# KiCad board LightRail_LPO_1.6T.kicad_pcb (continued)
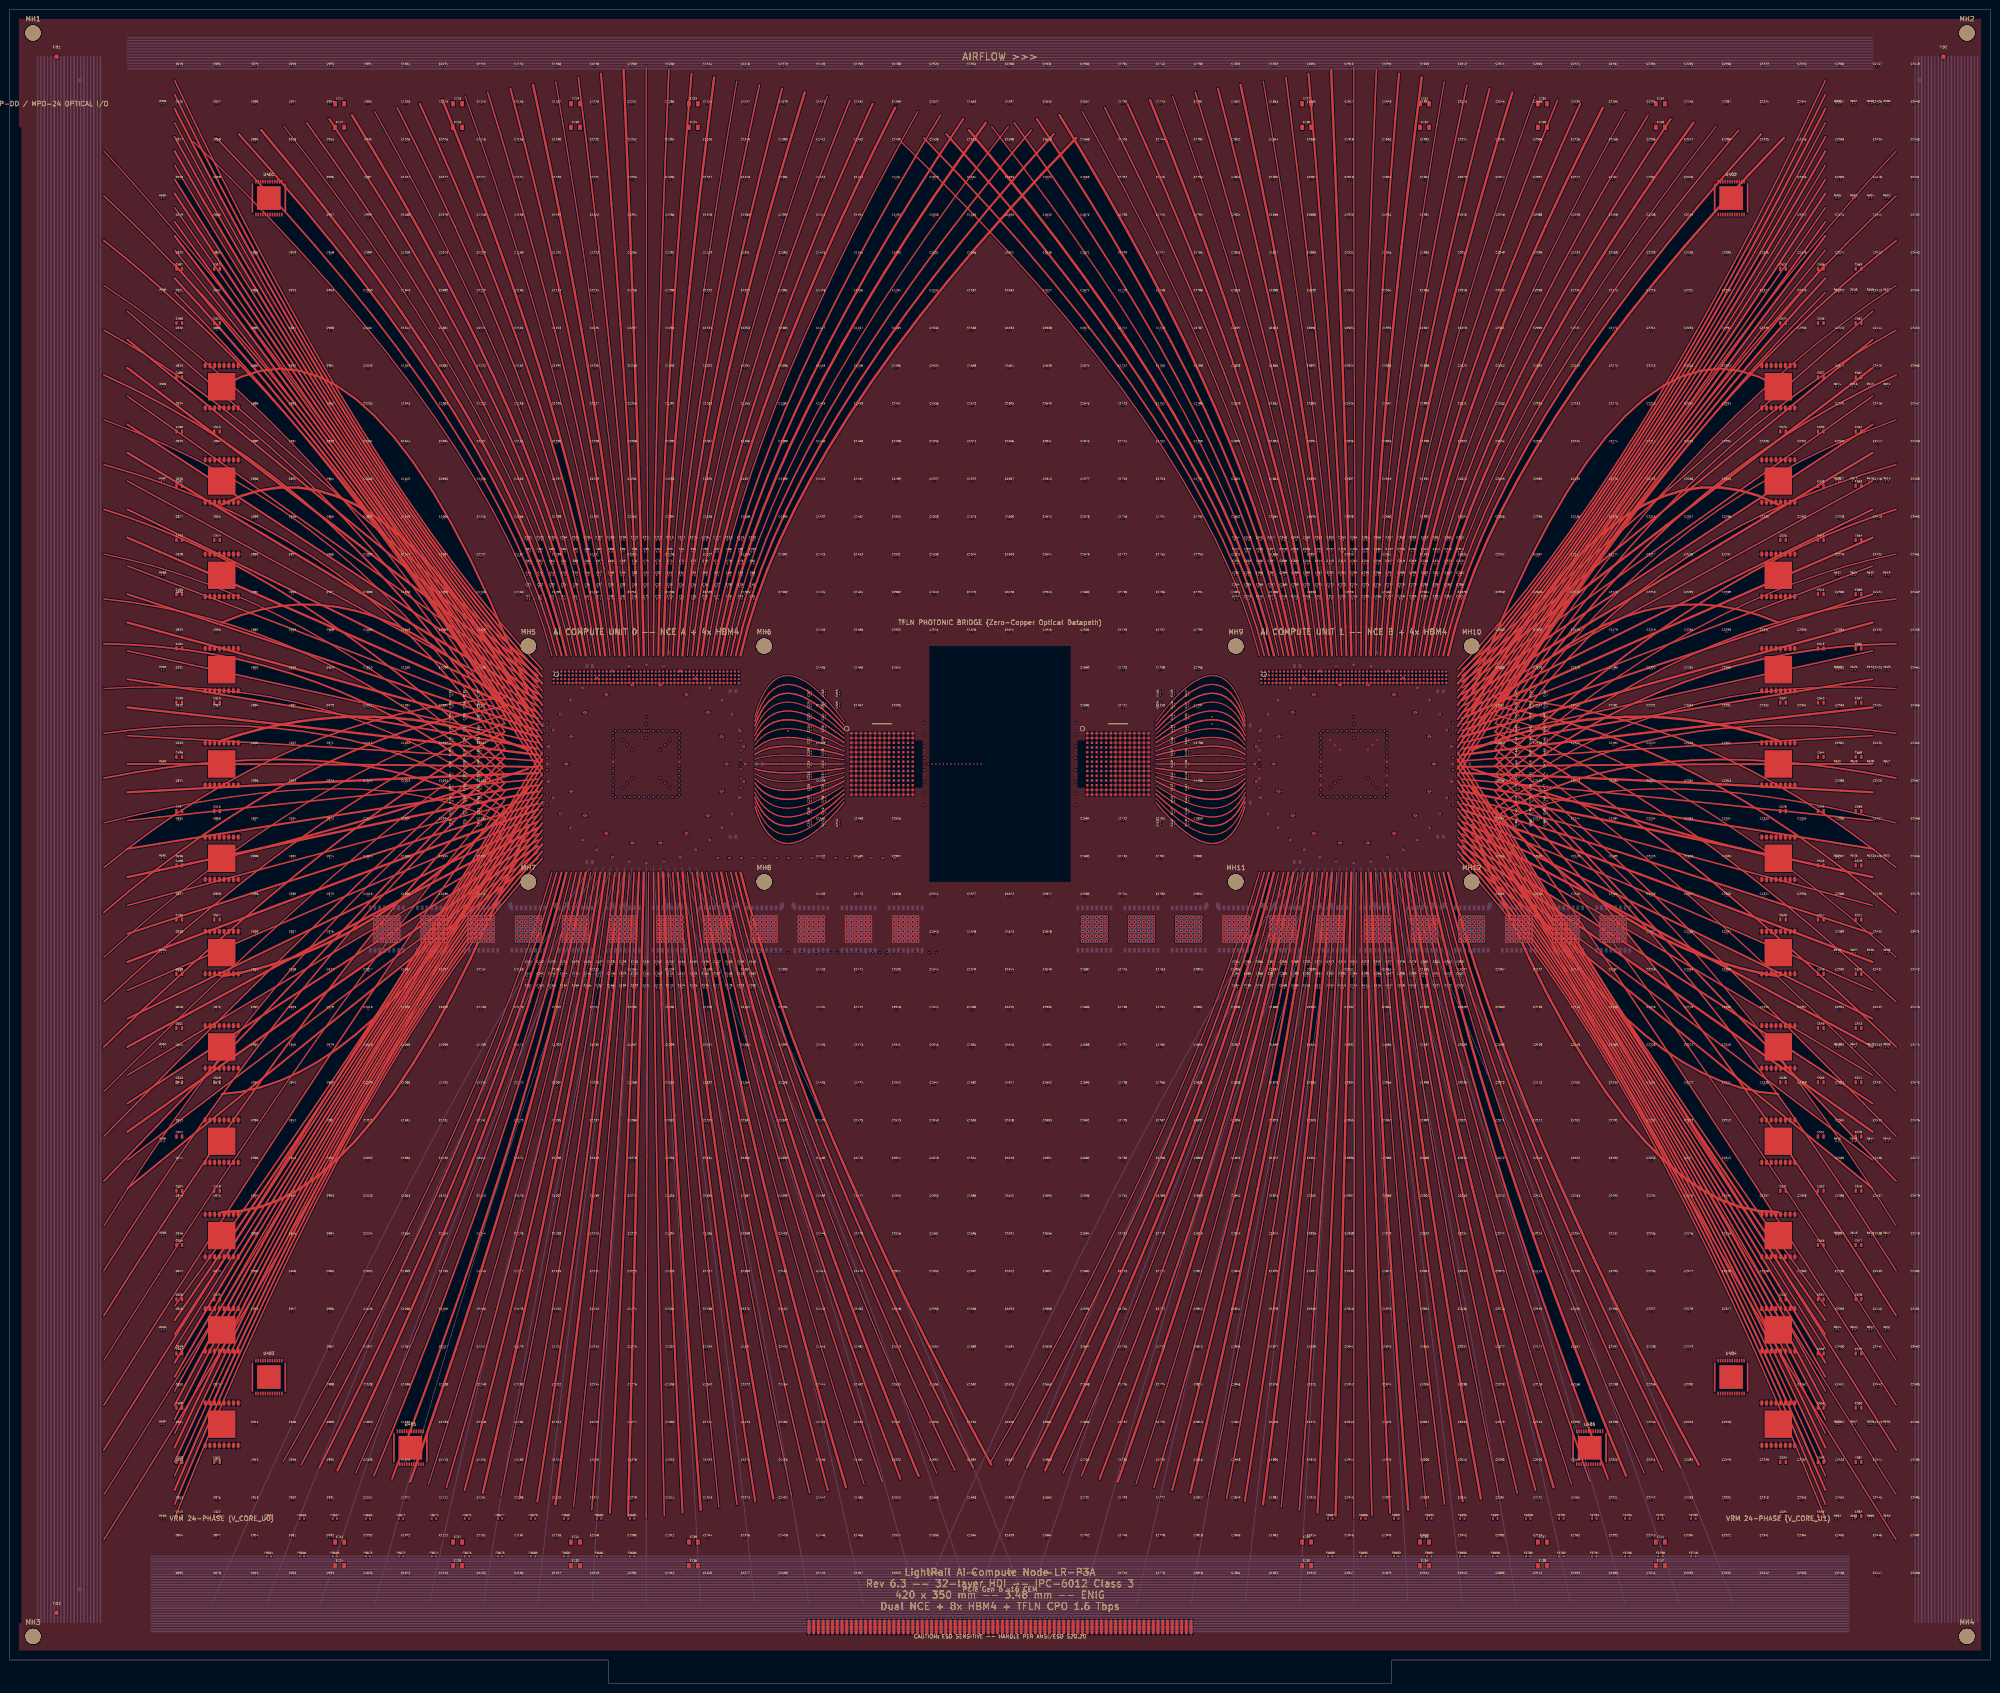
[diagram p0: board, top side]
## Placement (name value [footprint] x y rotation side) (continued)
C2326  0.6x0.3  [C_passive#2]  372 303 0 top
C2327  0.6x0.3  [C_passive#2]  372 295 0 top
C2328  0.6x0.3  [C_passive#2]  372 287 0 top
C2329  0.6x0.3  [C_passive#2]  372 263 0 top
C2330  0.6x0.3  [C_passive#2]  372 247 0 top
C2331  0.6x0.3  [C_passive#2]  372 223 0 top
C2332  0.6x0.3  [C_passive#2]  372 207 0 top
C2333  0.6x0.3  [C_passive#2]  372 183 0 top
C2334  0.6x0.3  [C_passive#2]  372 167 0 top
C2335  0.6x0.3  [C_passive#2]  372 143 0 top
C2336  0.6x0.3  [C_passive#2]  372 127 0 top
C2337  0.6x0.3  [C_passive#2]  372 103 0 top
C2338  0.6x0.3  [C_passive#2]  372 87 0 top
C2339  0.6x0.3  [C_passive#2]  372 47 0 top
C2340  0.6x0.3  [C_passive#2]  372 39 0 top
C2341  0.6x0.3  [C_passive#2]  372 31 0 top
C2342  0.6x0.3  [C_passive#2]  372 23 0 top
C2343  0.6x0.3  [C_passive#2]  380 343 0 top
C2344  0.6x0.3  [C_passive#2]  380 335 0 top
C2345  0.6x0.3  [C_passive#2]  380 327 0 top
C2346  0.6x0.3  [C_passive#2]  380 319 0 top
C2347  0.6x0.3  [C_passive#2]  380 311 0 top
C2348  0.6x0.3  [C_passive#2]  380 303 0 top
C2349  0.6x0.3  [C_passive#2]  380 295 0 top
C2350  0.6x0.3  [C_passive#2]  380 287 0 top
C2351  0.6x0.3  [C_passive#2]  380 263 0 top
C2352  0.6x0.3  [C_passive#2]  380 247 0 top
C2353  0.6x0.3  [C_passive#2]  380 223 0 top
C2354  0.6x0.3  [C_passive#2]  380 207 0 top
C2355  0.6x0.3  [C_passive#2]  380 183 0 top
C2356  0.6x0.3  [C_passive#2]  380 167 0 top
C2357  0.6x0.3  [C_passive#2]  380 143 0 top
C2358  0.6x0.3  [C_passive#2]  380 127 0 top
C2359  0.6x0.3  [C_passive#2]  380 103 0 top
C2360  0.6x0.3  [C_passive#2]  380 87 0 top
C2361  0.6x0.3  [C_passive#2]  380 63 0 top
C2362  0.6x0.3  [C_passive#2]  380 47 0 top
C2363  0.6x0.3  [C_passive#2]  380 39 0 top
C2364  0.6x0.3  [C_passive#2]  380 31 0 top
C2365  0.6x0.3  [C_passive#2]  380 23 0 top
C2366  0.6x0.3  [C_passive#2]  388 343 0 top
C2367  0.6x0.3  [C_passive#2]  388 335 0 top
C2368  0.6x0.3  [C_passive#2]  388 327 0 top
C2369  0.6x0.3  [C_passive#2]  388 319 0 top
C2370  0.6x0.3  [C_passive#2]  388 311 0 top
C2371  0.6x0.3  [C_passive#2]  388 303 0 top
C2372  0.6x0.3  [C_passive#2]  388 295 0 top
C2373  0.6x0.3  [C_passive#2]  388 287 0 top
C2374  0.6x0.3  [C_passive#2]  388 279 0 top
C2375  0.6x0.3  [C_passive#2]  388 271 0 top
C2376  0.6x0.3  [C_passive#2]  388 263 0 top
C2377  0.6x0.3  [C_passive#2]  388 255 0 top
C2378  0.6x0.3  [C_passive#2]  388 247 0 top
C2379  0.6x0.3  [C_passive#2]  388 239 0 top
C2380  0.6x0.3  [C_passive#2]  388 231 0 top
C2381  0.6x0.3  [C_passive#2]  388 223 0 top
C2382  0.6x0.3  [C_passive#2]  388 215 0 top
C2383  0.6x0.3  [C_passive#2]  388 207 0 top
C2384  0.6x0.3  [C_passive#2]  388 199 0 top
C2385  0.6x0.3  [C_passive#2]  388 191 0 top
C2386  0.6x0.3  [C_passive#2]  388 183 0 top
C2387  0.6x0.3  [C_passive#2]  388 175 0 top
C2388  0.6x0.3  [C_passive#2]  388 167 0 top
C2389  0.6x0.3  [C_passive#2]  388 159 0 top
C2390  0.6x0.3  [C_passive#2]  388 151 0 top
C2391  0.6x0.3  [C_passive#2]  388 143 0 top
C2392  0.6x0.3  [C_passive#2]  388 135 0 top
C2393  0.6x0.3  [C_passive#2]  388 127 0 top
C2394  0.6x0.3  [C_passive#2]  388 119 0 top
C2395  0.6x0.3  [C_passive#2]  388 111 0 top
C2396  0.6x0.3  [C_passive#2]  388 103 0 top
C2397  0.6x0.3  [C_passive#2]  388 95 0 top
C2398  0.6x0.3  [C_passive#2]  388 87 0 top
C2399  0.6x0.3  [C_passive#2]  388 79 0 top
C2400  0.6x0.3  [C_passive#2]  388 71 0 top
C2401  0.6x0.3  [C_passive#2]  388 63 0 top
C2402  0.6x0.3  [C_passive#2]  388 55 0 top
C2403  0.6x0.3  [C_passive#2]  388 47 0 top
C2404  0.6x0.3  [C_passive#2]  388 39 0 top
C2405  0.6x0.3  [C_passive#2]  388 31 0 top
C2406  0.6x0.3  [C_passive#2]  388 23 0 top
C2407  0.6x0.3  [C_passive#2]  396 343 0 top
C2408  0.6x0.3  [C_passive#2]  396 335 0 top
C2409  0.6x0.3  [C_passive#2]  396 327 0 top
C2410  0.6x0.3  [C_passive#2]  396 319 0 top
C2411  0.6x0.3  [C_passive#2]  396 311 0 top
C2412  0.6x0.3  [C_passive#2]  396 303 0 top
C2413  0.6x0.3  [C_passive#2]  396 295 0 top
C2414  0.6x0.3  [C_passive#2]  396 287 0 top
C2415  0.6x0.3  [C_passive#2]  396 279 0 top
C2416  0.6x0.3  [C_passive#2]  396 271 0 top
C2417  0.6x0.3  [C_passive#2]  396 263 0 top
C2418  0.6x0.3  [C_passive#2]  396 255 0 top
C2419  0.6x0.3  [C_passive#2]  396 247 0 top
C2420  0.6x0.3  [C_passive#2]  396 239 0 top
C2421  0.6x0.3  [C_passive#2]  396 231 0 top
C2422  0.6x0.3  [C_passive#2]  396 223 0 top
C2423  0.6x0.3  [C_passive#2]  396 215 0 top
C2424  0.6x0.3  [C_passive#2]  396 207 0 top
C2425  0.6x0.3  [C_passive#2]  396 199 0 top
C2426  0.6x0.3  [C_passive#2]  396 191 0 top
C2427  0.6x0.3  [C_passive#2]  396 183 0 top
C2428  0.6x0.3  [C_passive#2]  396 175 0 top
C2429  0.6x0.3  [C_passive#2]  396 167 0 top
C2430  0.6x0.3  [C_passive#2]  396 159 0 top
C2431  0.6x0.3  [C_passive#2]  396 151 0 top
C2432  0.6x0.3  [C_passive#2]  396 143 0 top
C2433  0.6x0.3  [C_passive#2]  396 135 0 top
C2434  0.6x0.3  [C_passive#2]  396 127 0 top
C2435  0.6x0.3  [C_passive#2]  396 119 0 top
C2436  0.6x0.3  [C_passive#2]  396 111 0 top
C2437  0.6x0.3  [C_passive#2]  396 103 0 top
C2438  0.6x0.3  [C_passive#2]  396 95 0 top
C2439  0.6x0.3  [C_passive#2]  396 87 0 top
C2440  0.6x0.3  [C_passive#2]  396 79 0 top
C2441  0.6x0.3  [C_passive#2]  396 71 0 top
C2442  0.6x0.3  [C_passive#2]  396 63 0 top
C2443  0.6x0.3  [C_passive#2]  396 55 0 top
C2444  0.6x0.3  [C_passive#2]  396 47 0 top
C2445  0.6x0.3  [C_passive#2]  396 39 0 top
C2446  0.6x0.3  [C_passive#2]  396 31 0 top
C2447  0.6x0.3  [C_passive#2]  396 23 0 top
C2448  0.6x0.3  [C_passive#2]  404 343 0 top
C2449  0.6x0.3  [C_passive#2]  404 335 0 top
C2450  0.6x0.3  [C_passive#2]  404 327 0 top
C2451  0.6x0.3  [C_passive#2]  404 319 0 top
C2452  0.6x0.3  [C_passive#2]  404 311 0 top
C2453  0.6x0.3  [C_passive#2]  404 303 0 top
C2454  0.6x0.3  [C_passive#2]  404 295 0 top
C2455  0.6x0.3  [C_passive#2]  404 287 0 top
C2456  0.6x0.3  [C_passive#2]  404 279 0 top
C2457  0.6x0.3  [C_passive#2]  404 271 0 top
C2458  0.6x0.3  [C_passive#2]  404 263 0 top
C2459  0.6x0.3  [C_passive#2]  404 255 0 top
C2460  0.6x0.3  [C_passive#2]  404 247 0 top
C2461  0.6x0.3  [C_passive#2]  404 239 0 top
C2462  0.6x0.3  [C_passive#2]  404 231 0 top
C2463  0.6x0.3  [C_passive#2]  404 223 0 top
C2464  0.6x0.3  [C_passive#2]  404 215 0 top
C2465  0.6x0.3  [C_passive#2]  404 207 0 top
C2466  0.6x0.3  [C_passive#2]  404 199 0 top
C2467  0.6x0.3  [C_passive#2]  404 191 0 top
C2468  0.6x0.3  [C_passive#2]  404 183 0 top
C2469  0.6x0.3  [C_passive#2]  404 175 0 top
C2470  0.6x0.3  [C_passive#2]  404 167 0 top
C2471  0.6x0.3  [C_passive#2]  404 159 0 top
C2472  0.6x0.3  [C_passive#2]  404 151 0 top
C2473  0.6x0.3  [C_passive#2]  404 143 0 top
C2474  0.6x0.3  [C_passive#2]  404 135 0 top
C2475  0.6x0.3  [C_passive#2]  404 127 0 top
C2476  0.6x0.3  [C_passive#2]  404 119 0 top
C2477  0.6x0.3  [C_passive#2]  404 111 0 top
C2478  0.6x0.3  [C_passive#2]  404 103 0 top
C2479  0.6x0.3  [C_passive#2]  404 95 0 top
C2480  0.6x0.3  [C_passive#2]  404 87 0 top
C2481  0.6x0.3  [C_passive#2]  404 79 0 top
C2482  0.6x0.3  [C_passive#2]  404 71 0 top
C2483  0.6x0.3  [C_passive#2]  404 63 0 top
C2484  0.6x0.3  [C_passive#2]  404 55 0 top
C2485  0.6x0.3  [C_passive#2]  404 47 0 top
C2486  0.6x0.3  [C_passive#2]  404 39 0 top
C2487  0.6x0.3  [C_passive#2]  404 31 0 top
C2488  0.6x0.3  [C_passive#2]  404 23 0 top
C_U0_T1_0  100uF_10V  [C_Tantalum_3528]  105 165 0 bottom
C_U0_T1_1  100uF_10V  [C_Tantalum_3528]  117 165 0 bottom
C_U0_T1_2  100uF_10V  [C_Tantalum_3528]  129 165 0 bottom
C_U0_T1_3  100uF_10V  [C_Tantalum_3528]  141 165 0 bottom
C_U0_T1_4  100uF_10V  [C_Tantalum_3528]  153 165 0 bottom
C_U0_T1_5  100uF_10V  [C_Tantalum_3528]  165 165 0 bottom
C_U0_T2_0  10uF  [C_0805]  159 195 0 bottom
C_U0_T2_1  10uF  [C_0805]  153.39 179.57 0 bottom
C_U0_T2_2  10uF  [C_0805]  139.17 171.36 0 bottom
C_U0_T2_3  10uF  [C_0805]  123 174.22 0 bottom
C_U0_T2_4  10uF  [C_0805]  112.45 186.79 0 bottom
C_U0_T2_5  10uF  [C_0805]  112.45 203.21 0 bottom
C_U0_T2_6  10uF  [C_0805]  123 215.78 0 bottom
C_U0_T2_7  10uF  [C_0805]  139.17 218.64 0 bottom
C_U0_T2_8  10uF  [C_0805]  153.39 210.43 0 bottom
C_U0_T3_0  1uF  [C_0402]  152 195 0 top
C_U0_T3_1  1uF  [C_0402]  150.97 189.19 0 top
C_U0_T3_2  1uF  [C_0402]  148.02 184.07 0 top
C_U0_T3_3  1uF  [C_0402]  143.5 180.28 0 top
C_U0_T3_4  1uF  [C_0402]  137.95 178.26 0 top
C_U0_T3_5  1uF  [C_0402]  132.05 178.26 0 top
C_U0_T3_6  1uF  [C_0402]  126.5 180.28 0 top
C_U0_T3_7  1uF  [C_0402]  121.98 184.07 0 top
C_U0_T3_8  1uF  [C_0402]  119.03 189.19 0 top
C_U0_T3_9  1uF  [C_0402]  118 195 0 top
C_U0_T3_10  1uF  [C_0402]  119.03 200.81 0 top
C_U0_T3_11  1uF  [C_0402]  121.98 205.93 0 top
C_U0_T3_12  1uF  [C_0402]  126.5 209.72 0 top
C_U0_T3_13  1uF  [C_0402]  132.05 211.74 0 top
C_U0_T3_14  1uF  [C_0402]  137.95 211.74 0 top
C_U0_T3_15  1uF  [C_0402]  143.5 209.72 0 top
C_U0_T3_16  1uF  [C_0402]  148.02 205.93 0 top
C_U0_T3_17  1uF  [C_0402]  150.97 200.81 0 top
C_U0_T4_0  100nF  [C_01005#2]  156 195 0 top
C_U0_T4_1  100nF  [C_01005#3]  155.68 191.35 10 top
C_U0_T4_2  100nF  [C_01005#4]  154.73 187.82 20 top
C_U0_T4_3  100nF  [C_01005#5]  153.19 184.5 30 top
C_U0_T4_4  100nF  [C_01005]  151.09 181.5 40 top
C_U0_T4_5  100nF  [C_01005#6]  148.5 178.91 50 top
C_U0_T4_6  100nF  [C_01005#7]  145.5 176.81 60 top
C_U0_T4_7  100nF  [C_01005#8]  142.18 175.27 70 top
C_U0_T4_8  100nF  [C_01005#9]  138.65 174.32 80 top
C_U0_T4_9  100nF  [C_01005#2]  135 174 90 top
C_U0_T4_10  100nF  [C_01005#10]  131.35 174.32 100 top
C_U0_T4_11  100nF  [C_01005#11]  127.82 175.27 110 top
C_U0_T4_12  100nF  [C_01005#12]  124.5 176.81 120 top
C_U0_T4_13  100nF  [C_01005#13]  121.5 178.91 130 top
C_U0_T4_14  100nF  [C_01005#14]  118.91 181.5 140 top
C_U0_T4_15  100nF  [C_01005#15]  116.81 184.5 150 top
C_U0_T4_16  100nF  [C_01005#16]  115.27 187.82 160 top
C_U0_T4_17  100nF  [C_01005#17]  114.32 191.35 170 top
C_U0_T4_18  100nF  [C_01005#2]  114 195 180 top
C_U0_T4_19  100nF  [C_01005#3]  114.32 198.65 190 top
C_U0_T4_20  100nF  [C_01005#4]  115.27 202.18 200 top
C_U0_T4_21  100nF  [C_01005#5]  116.81 205.5 210 top
C_U0_T4_22  100nF  [C_01005]  118.91 208.5 220 top
C_U0_T4_23  100nF  [C_01005#6]  121.5 211.09 230 top
C_U0_T4_24  100nF  [C_01005#7]  124.5 213.19 240 top
C_U0_T4_25  100nF  [C_01005#8]  127.82 214.73 250 top
C_U0_T4_26  100nF  [C_01005#9]  131.35 215.68 260 top
C_U0_T4_27  100nF  [C_01005#2]  135 216 270 top
C_U0_T4_28  100nF  [C_01005#10]  138.65 215.68 280 top
C_U0_T4_29  100nF  [C_01005#11]  142.18 214.73 290 top
C_U0_T4_30  100nF  [C_01005#12]  145.5 213.19 300 top
C_U0_T4_31  100nF  [C_01005#13]  148.5 211.09 310 top
C_U0_T4_32  100nF  [C_01005#14]  151.09 208.5 320 top
C_U0_T4_33  100nF  [C_01005#15]  153.19 205.5 330 top
C_U0_T4_34  100nF  [C_01005#16]  154.73 202.18 340 top
C_U0_T4_35  100nF  [C_01005#17]  155.68 198.65 350 top
C_U1_T1_0  100uF_10V  [C_Tantalum_3528]  255 165 0 bottom
C_U1_T1_1  100uF_10V  [C_Tantalum_3528]  267 165 0 bottom
C_U1_T1_2  100uF_10V  [C_Tantalum_3528]  279 165 0 bottom
C_U1_T1_3  100uF_10V  [C_Tantalum_3528]  291 165 0 bottom
C_U1_T1_4  100uF_10V  [C_Tantalum_3528]  303 165 0 bottom
C_U1_T1_5  100uF_10V  [C_Tantalum_3528]  315 165 0 bottom
C_U1_T2_0  10uF  [C_0805]  309 195 0 bottom
C_U1_T2_1  10uF  [C_0805]  303.39 179.57 0 bottom
C_U1_T2_2  10uF  [C_0805]  289.17 171.36 0 bottom
C_U1_T2_3  10uF  [C_0805]  273 174.22 0 bottom
C_U1_T2_4  10uF  [C_0805]  262.45 186.79 0 bottom
C_U1_T2_5  10uF  [C_0805]  262.45 203.21 0 bottom
C_U1_T2_6  10uF  [C_0805]  273 215.78 0 bottom
C_U1_T2_7  10uF  [C_0805]  289.17 218.64 0 bottom
C_U1_T2_8  10uF  [C_0805]  303.39 210.43 0 bottom
C_U1_T3_0  1uF  [C_0402]  302 195 0 top
C_U1_T3_1  1uF  [C_0402]  300.97 189.19 0 top
C_U1_T3_2  1uF  [C_0402]  298.02 184.07 0 top
C_U1_T3_3  1uF  [C_0402]  293.5 180.28 0 top
C_U1_T3_4  1uF  [C_0402]  287.95 178.26 0 top
C_U1_T3_5  1uF  [C_0402]  282.05 178.26 0 top
C_U1_T3_6  1uF  [C_0402]  276.5 180.28 0 top
C_U1_T3_7  1uF  [C_0402]  271.98 184.07 0 top
C_U1_T3_8  1uF  [C_0402]  269.03 189.19 0 top
C_U1_T3_9  1uF  [C_0402]  268 195 0 top
C_U1_T3_10  1uF  [C_0402]  269.03 200.81 0 top
C_U1_T3_11  1uF  [C_0402]  271.98 205.93 0 top
C_U1_T3_12  1uF  [C_0402]  276.5 209.72 0 top
C_U1_T3_13  1uF  [C_0402]  282.05 211.74 0 top
C_U1_T3_14  1uF  [C_0402]  287.95 211.74 0 top
C_U1_T3_15  1uF  [C_0402]  293.5 209.72 0 top
C_U1_T3_16  1uF  [C_0402]  298.02 205.93 0 top
C_U1_T3_17  1uF  [C_0402]  300.97 200.81 0 top
C_U1_T4_0  100nF  [C_01005#2]  306 195 0 top
C_U1_T4_1  100nF  [C_01005#3]  305.68 191.35 10 top
C_U1_T4_2  100nF  [C_01005#4]  304.73 187.82 20 top
C_U1_T4_3  100nF  [C_01005#5]  303.19 184.5 30 top
C_U1_T4_4  100nF  [C_01005]  301.09 181.5 40 top
C_U1_T4_5  100nF  [C_01005#6]  298.5 178.91 50 top
C_U1_T4_6  100nF  [C_01005#7]  295.5 176.81 60 top
C_U1_T4_7  100nF  [C_01005#8]  292.18 175.27 70 top
C_U1_T4_8  100nF  [C_01005#9]  288.65 174.32 80 top
C_U1_T4_9  100nF  [C_01005#2]  285 174 90 top
C_U1_T4_10  100nF  [C_01005#10]  281.35 174.32 100 top
C_U1_T4_11  100nF  [C_01005#11]  277.82 175.27 110 top
C_U1_T4_12  100nF  [C_01005#12]  274.5 176.81 120 top
C_U1_T4_13  100nF  [C_01005#13]  271.5 178.91 130 top
C_U1_T4_14  100nF  [C_01005#14]  268.91 181.5 140 top
C_U1_T4_15  100nF  [C_01005#15]  266.81 184.5 150 top
C_U1_T4_16  100nF  [C_01005#16]  265.27 187.82 160 top
C_U1_T4_17  100nF  [C_01005#17]  264.32 191.35 170 top
C_U1_T4_18  100nF  [C_01005#2]  264 195 180 top
C_U1_T4_19  100nF  [C_01005#3]  264.32 198.65 190 top
C_U1_T4_20  100nF  [C_01005#4]  265.27 202.18 200 top
C_U1_T4_21  100nF  [C_01005#5]  266.81 205.5 210 top
C_U1_T4_22  100nF  [C_01005]  268.91 208.5 220 top
C_U1_T4_23  100nF  [C_01005#6]  271.5 211.09 230 top
C_U1_T4_24  100nF  [C_01005#7]  274.5 213.19 240 top
C_U1_T4_25  100nF  [C_01005#8]  277.82 214.73 250 top
C_U1_T4_26  100nF  [C_01005#9]  281.35 215.68 260 top
C_U1_T4_27  100nF  [C_01005#2]  285 216 270 top
C_U1_T4_28  100nF  [C_01005#10]  288.65 215.68 280 top
C_U1_T4_29  100nF  [C_01005#11]  292.18 214.73 290 top
C_U1_T4_30  100nF  [C_01005#12]  295.5 213.19 300 top
C_U1_T4_31  100nF  [C_01005#13]  298.5 211.09 310 top
C_U1_T4_32  100nF  [C_01005#14]  301.09 208.5 320 top
C_U1_T4_33  100nF  [C_01005#15]  303.19 205.5 330 top
C_U1_T4_34  100nF  [C_01005#16]  304.73 202.18 340 top
C_U1_T4_35  100nF  [C_01005#17]  305.68 198.65 350 top
FB663  1.6x0.8  [FB_passive]  55 35 0 top
FB664  1.6x0.8  [FB_passive]  55 27 0 top
FB665  1.6x0.8  [FB_passive]  62 35 0 top
FB666  1.6x0.8  [FB_passive]  62 27 0 top
FB667  1.6x0.8  [FB_passive]  69 35 0 top
FB668  1.6x0.8  [FB_passive]  69 27 0 top
FB669  1.6x0.8  [FB_passive]  76 35 0 top
FB670  1.6x0.8  [FB_passive]  76 27 0 top
FB671  1.6x0.8  [FB_passive]  83 35 0 top
FB672  1.6x0.8  [FB_passive]  83 27 0 top
FB673  1.6x0.8  [FB_passive]  90 35 0 top
FB674  1.6x0.8  [FB_passive]  90 27 0 top
FB675  1.6x0.8  [FB_passive]  97 35 0 top
FB676  1.6x0.8  [FB_passive]  97 27 0 top
FB677  1.6x0.8  [FB_passive]  104 35 0 top
FB678  1.6x0.8  [FB_passive]  104 27 0 top
FB679  1.6x0.8  [FB_passive]  111 35 0 top
FB680  1.6x0.8  [FB_passive]  111 27 0 top
FB681  1.6x0.8  [FB_passive]  118 35 0 top
FB682  1.6x0.8  [FB_passive]  118 27 0 top
FB683  1.6x0.8  [FB_passive]  125 35 0 top
FB684  1.6x0.8  [FB_passive]  125 27 0 top
FB685  1.6x0.8  [FB_passive]  132 35 0 top
FB686  1.6x0.8  [FB_passive]  132 27 0 top
FB687  1.6x0.8  [FB_passive]  280 35 0 top
FB688  1.6x0.8  [FB_passive]  280 27 0 top
FB689  1.6x0.8  [FB_passive]  287 35 0 top
FB690  1.6x0.8  [FB_passive]  287 27 0 top
FB691  1.6x0.8  [FB_passive]  294 35 0 top
FB692  1.6x0.8  [FB_passive]  294 27 0 top
FB693  1.6x0.8  [FB_passive]  301 35 0 top
FB694  1.6x0.8  [FB_passive]  301 27 0 top
FB695  1.6x0.8  [FB_passive]  308 35 0 top
FB696  1.6x0.8  [FB_passive]  308 27 0 top
FB697  1.6x0.8  [FB_passive]  315 35 0 top
FB698  1.6x0.8  [FB_passive]  315 27 0 top
FB699  1.6x0.8  [FB_passive]  322 35 0 top
FB700  1.6x0.8  [FB_passive]  322 27 0 top
FB701  1.6x0.8  [FB_passive]  329 35 0 top
FB702  1.6x0.8  [FB_passive]  329 27 0 top
FB703  1.6x0.8  [FB_passive]  336 35 0 top
FB704  1.6x0.8  [FB_passive]  336 27 0 top
FB705  1.6x0.8  [FB_passive]  343 35 0 top
FB706  1.6x0.8  [FB_passive]  343 27 0 top
FB707  1.6x0.8  [FB_passive]  350 35 0 top
FB708  1.6x0.8  [FB_passive]  350 27 0 top
FB709  1.6x0.8  [FB_passive]  357 35 0 top
FB710  1.6x0.8  [FB_passive]  357 27 0 top
FID1  Fiducial  [Fiducial_1mm_Mask2.5mm]  10 345 0 top
FID2  Fiducial  [Fiducial_1mm_Mask2.5mm]  410 345 0 top
FID3  Fiducial  [Fiducial_1mm_Mask2.5mm]  10 15 0 top
FID4  Fiducial  [Fiducial_1mm_Mask2.5mm]  15 340 0 bottom
FID5  Fiducial  [Fiducial_1mm_Mask2.5mm]  405 340 0 bottom
FID6  Fiducial  [Fiducial_1mm_Mask2.5mm]  15 20 0 bottom
J1  PCIe_Gen6_x16_CEM  [PCIe_CEM_x16_164pin]  210 12 0 top
J2  12VHPWR_600W  [12VHPWR_Molex_203713]  390 325 0 top
J3  12VHPWR_600W  [12VHPWR_Molex_203713]  390 295 0 top
J10  QSFP-DD  [QSFP_DD_Cage]  8 325 0 top
J11  QSFP-DD  [QSFP_DD_Cage]  8 320.2 0 top
J12  QSFP-DD  [QSFP_DD_Cage]  8 315.4 0 top
J13  QSFP-DD  [QSFP_DD_Cage]  8 310.6 0 top
J14  QSFP-DD  [QSFP_DD_Cage]  8 305.8 0 top
J15  QSFP-DD  [QSFP_DD_Cage]  8 301 0 top
J16  QSFP-DD  [QSFP_DD_Cage]  8 296.2 0 top
J17  QSFP-DD  [QSFP_DD_Cage]  8 291.4 0 top
J18  QSFP-DD  [QSFP_DD_Cage]  8 286.6 0 top
J19  QSFP-DD  [QSFP_DD_Cage]  8 281.8 0 top
J20  QSFP-DD  [QSFP_DD_Cage]  8 277 0 top
J21  QSFP-DD  [QSFP_DD_Cage]  8 272.2 0 top
J22  QSFP-DD  [QSFP_DD_Cage]  8 267.4 0 top
J23  QSFP-DD  [QSFP_DD_Cage]  8 262.6 0 top
J24  QSFP-DD  [QSFP_DD_Cage]  8 257.8 0 top
J25  QSFP-DD  [QSFP_DD_Cage]  8 253 0 top
J26  QSFP-DD  [QSFP_DD_Cage]  8 248.2 0 top
J27  QSFP-DD  [QSFP_DD_Cage]  8 243.4 0 top
J28  QSFP-DD  [QSFP_DD_Cage]  8 238.6 0 top
J29  QSFP-DD  [QSFP_DD_Cage]  8 233.8 0 top
J30  QSFP-DD  [QSFP_DD_Cage]  8 229 0 top
J31  QSFP-DD  [QSFP_DD_Cage]  8 224.2 0 top
J32  QSFP-DD  [QSFP_DD_Cage]  8 219.4 0 top
J33  QSFP-DD  [QSFP_DD_Cage]  8 214.6 0 top
J34  QSFP-DD  [QSFP_DD_Cage]  8 209.8 0 top
J35  QSFP-DD  [QSFP_DD_Cage]  8 205 0 top
J36  QSFP-DD  [QSFP_DD_Cage]  8 200.2 0 top
J37  QSFP-DD  [QSFP_DD_Cage]  8 195.4 0 top
J38  QSFP-DD  [QSFP_DD_Cage]  8 190.6 0 top
J39  QSFP-DD  [QSFP_DD_Cage]  8 185.8 0 top
J40  QSFP-DD  [QSFP_DD_Cage]  8 181 0 top
J41  QSFP-DD  [QSFP_DD_Cage]  8 176.2 0 top
J42  QSFP-DD  [QSFP_DD_Cage]  8 171.4 0 top
J43  QSFP-DD  [QSFP_DD_Cage]  8 166.6 0 top
J44  QSFP-DD  [QSFP_DD_Cage]  8 161.8 0 top
J45  QSFP-DD  [QSFP_DD_Cage]  8 157 0 top
J46  QSFP-DD  [QSFP_DD_Cage]  8 152.2 0 top
J47  QSFP-DD  [QSFP_DD_Cage]  8 147.4 0 top
J48  QSFP-DD  [QSFP_DD_Cage]  8 142.6 0 top